# Altium PCB DSD_Aerobits_RPI4_OLED.PcbDoc
Units mm, origin at the board's own origin, x right, y up, seen from the top; angles counter-clockwise.
Board outline 143.13 x 116.33 mm, 2 copper layers (Top Layer, Bottom Layer), stack 1.569 mm thick; 90 components, 66 nets, 357 pads, 98 vias.
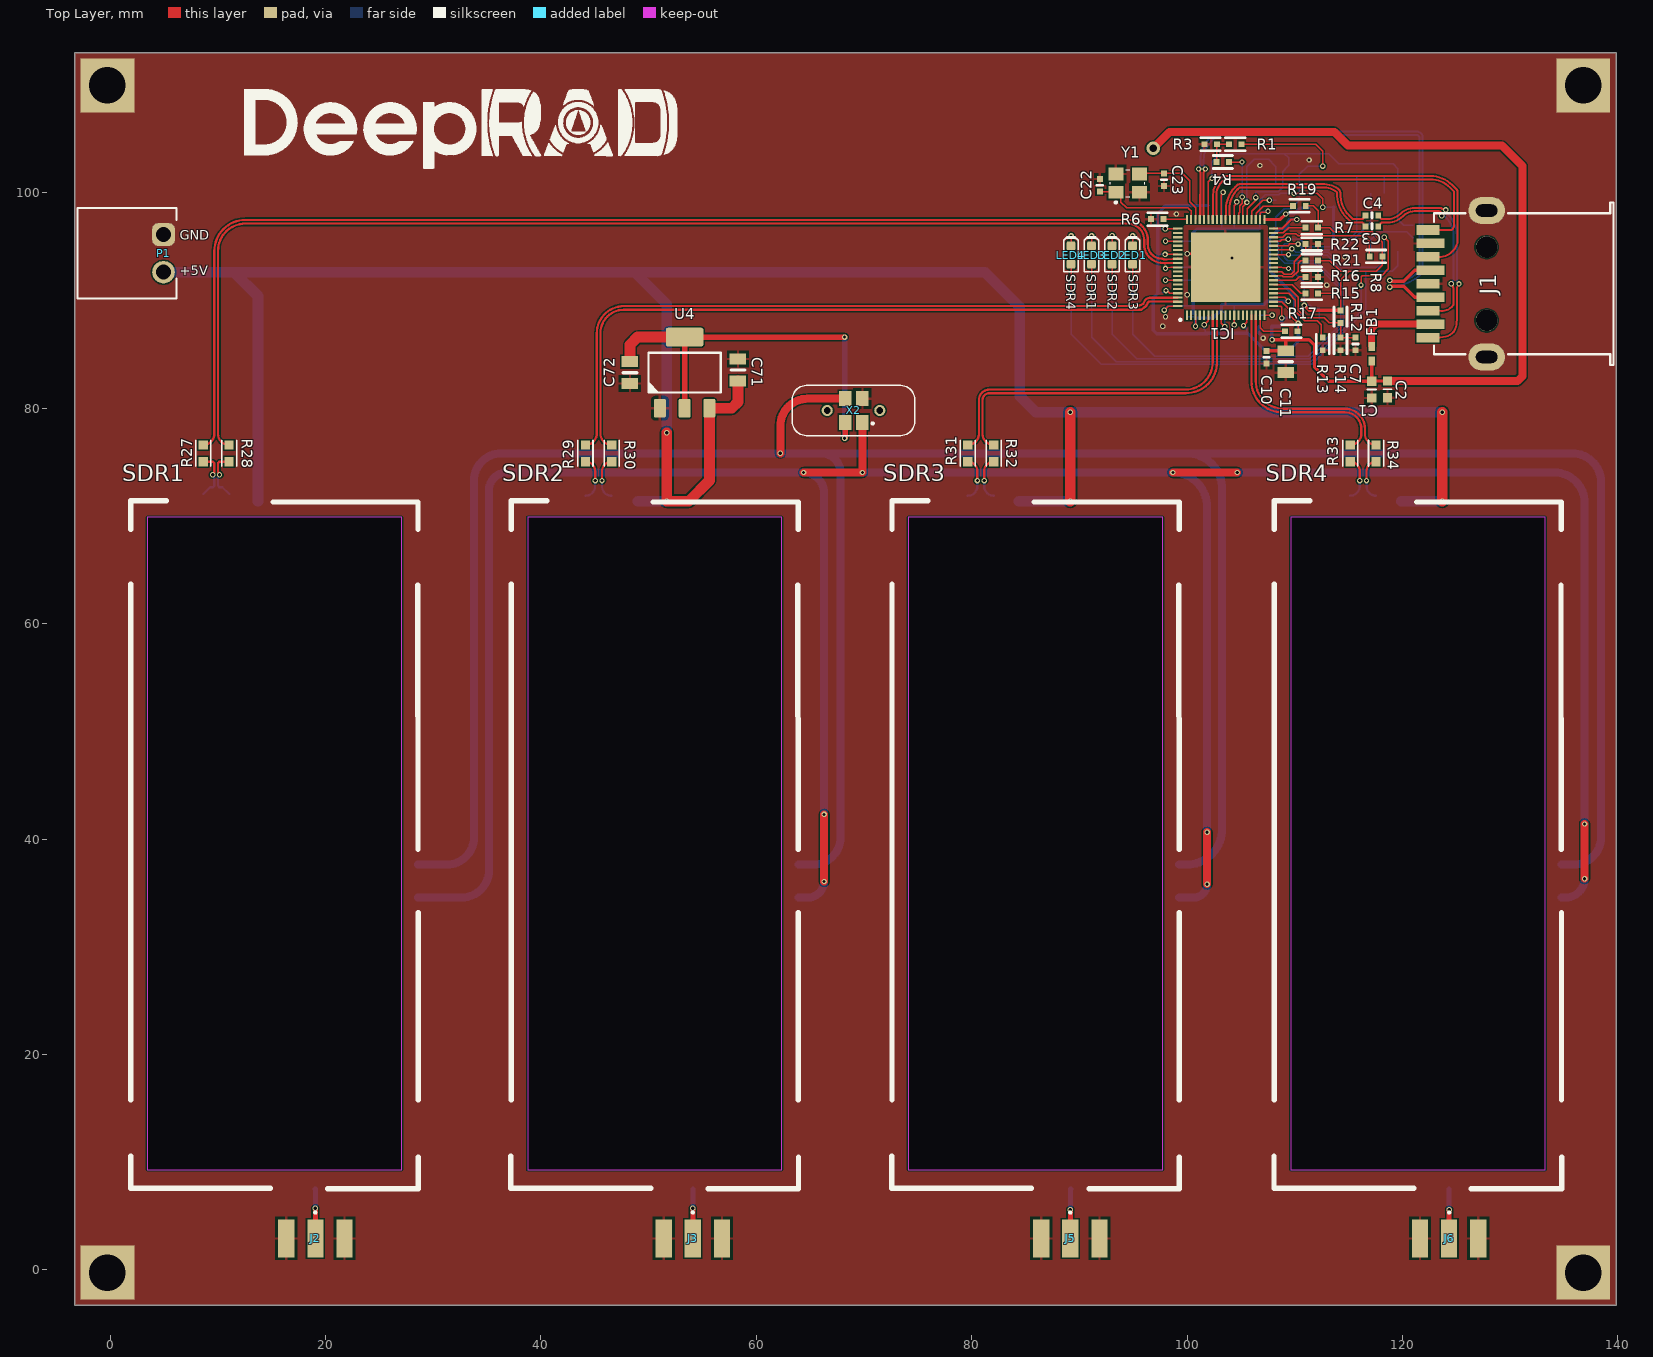
[diagram p0: Top Layer view]
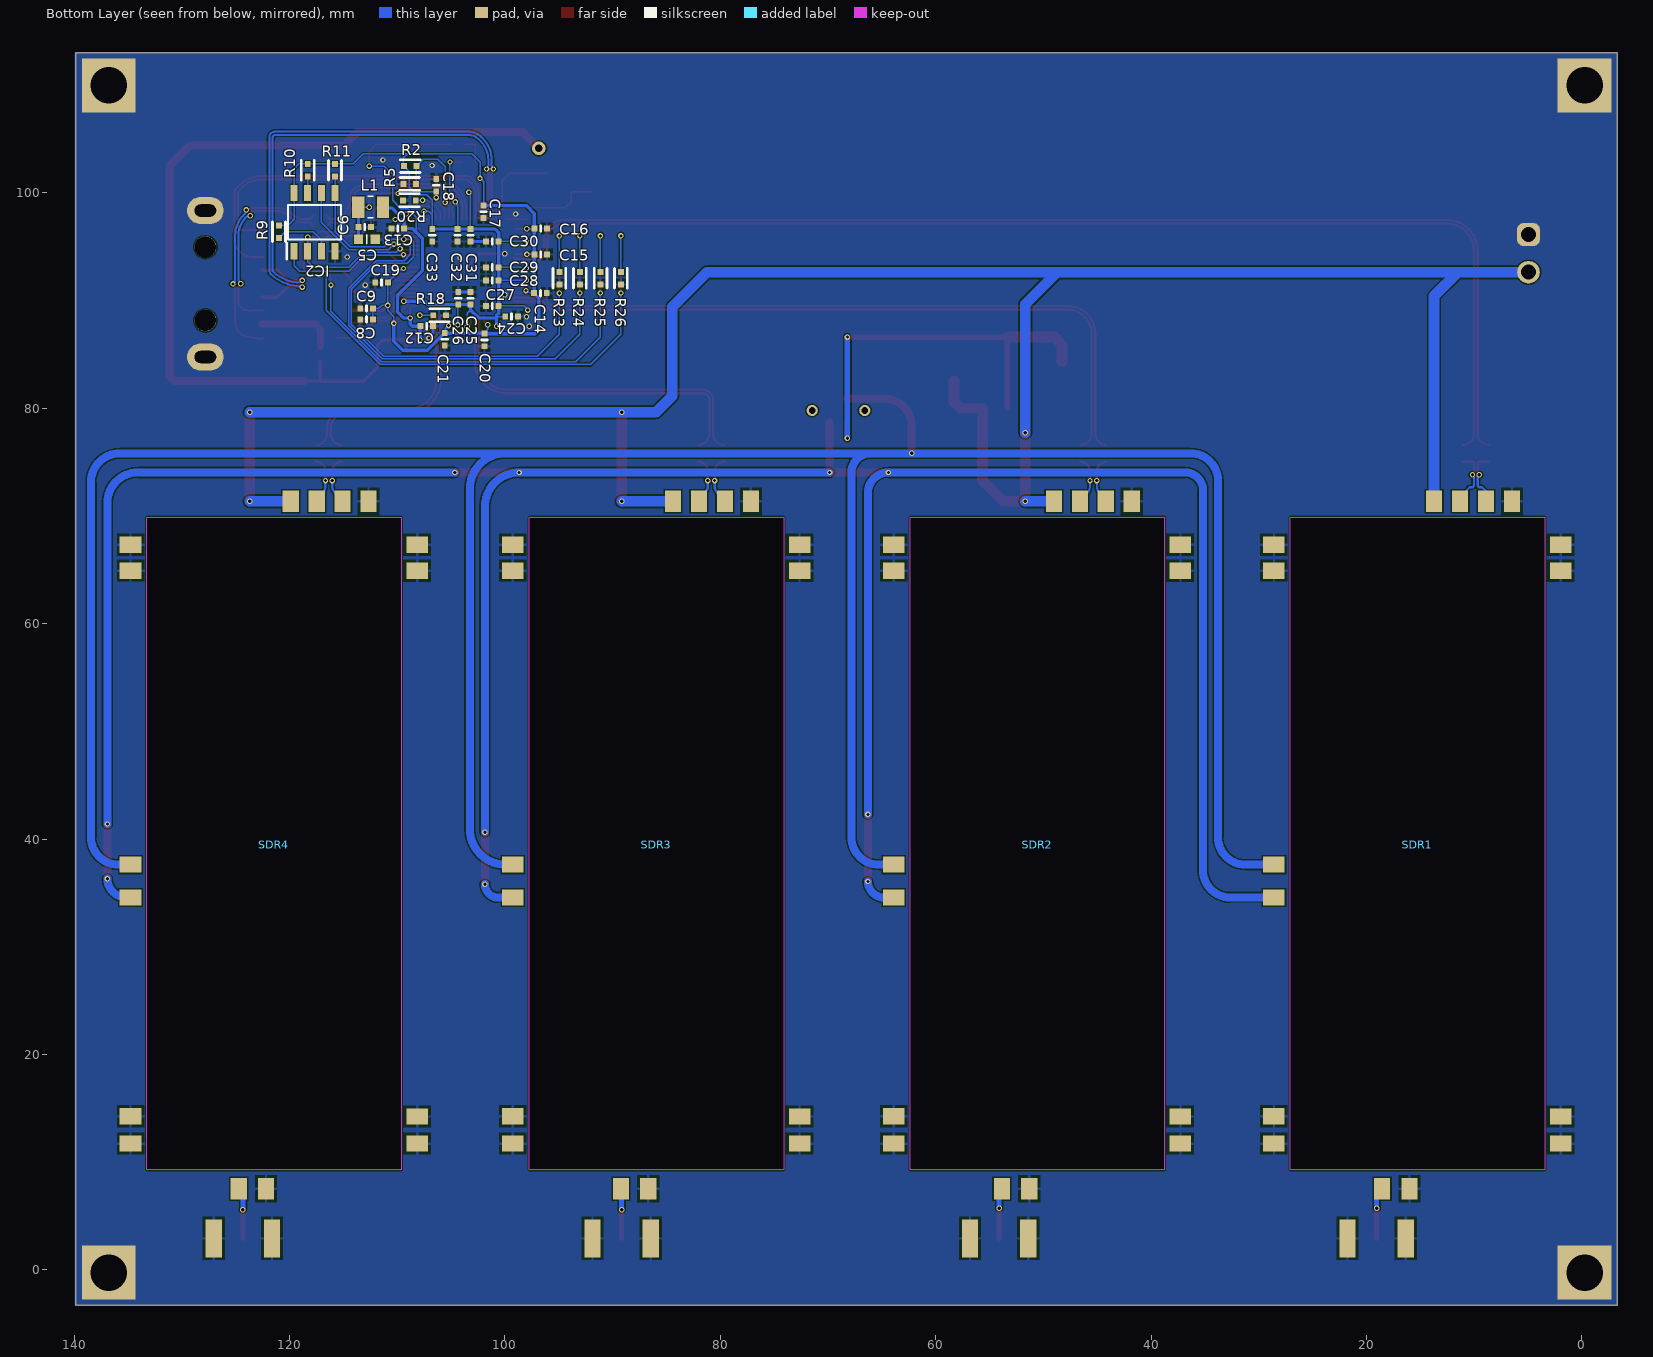
[diagram p1: Bottom Layer view, seen from below]
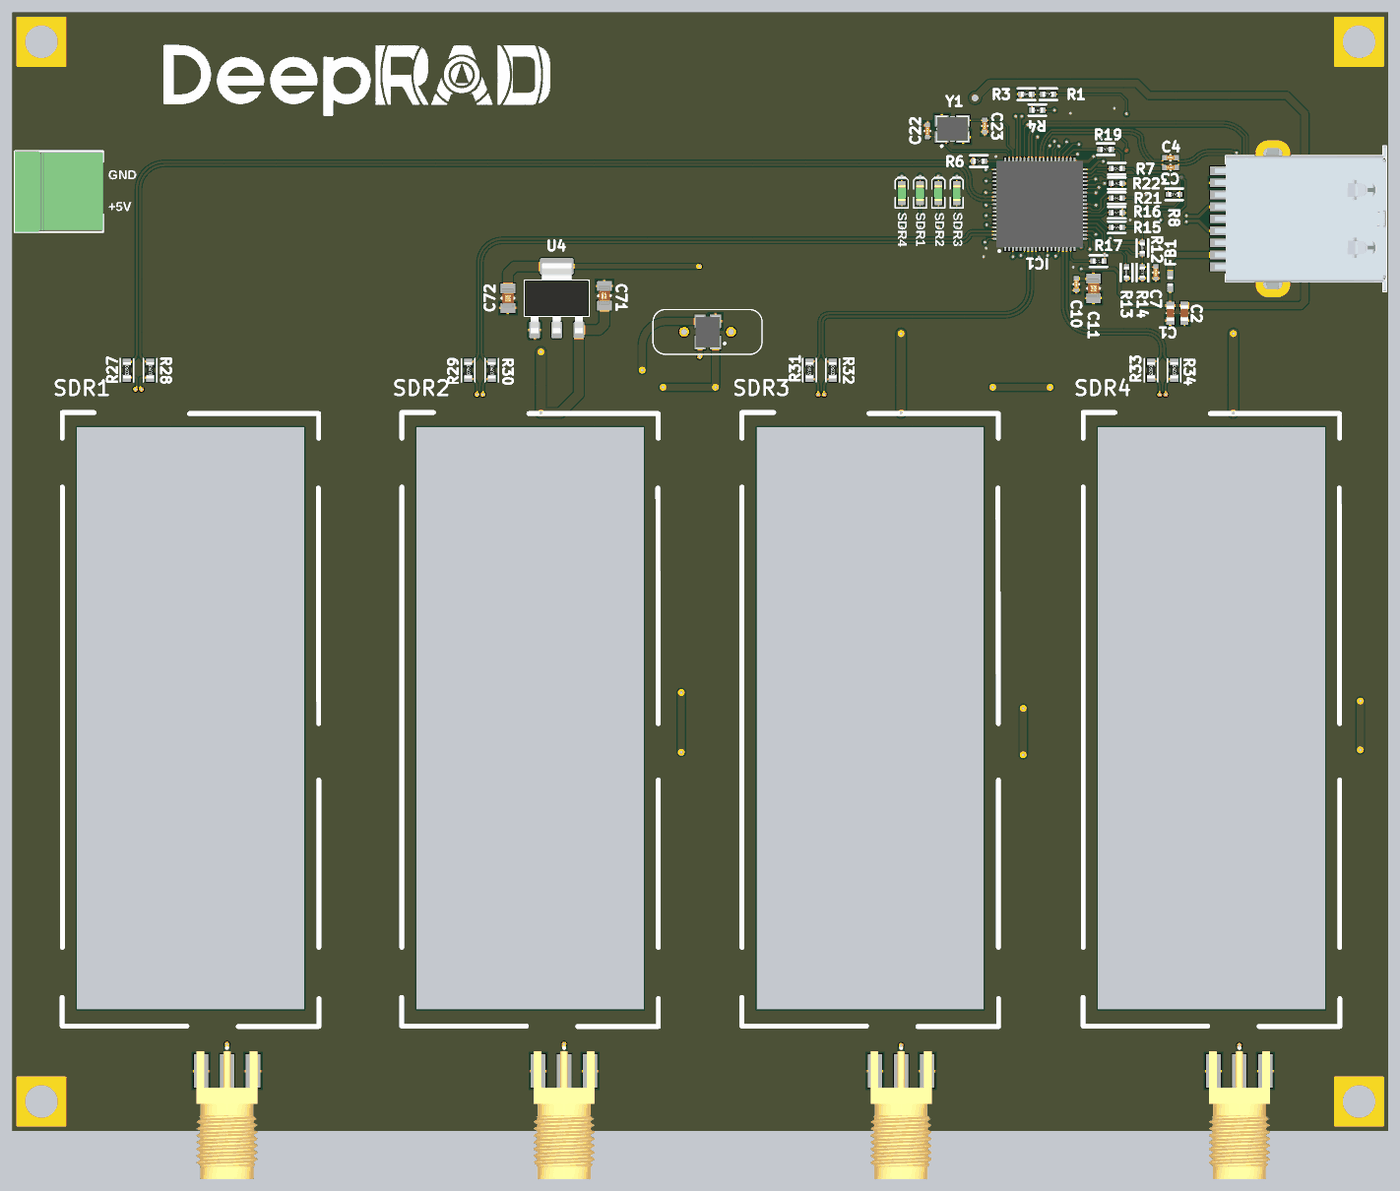
[diagram p2: 3D render of the assembled board from above, using the file's embedded part models]
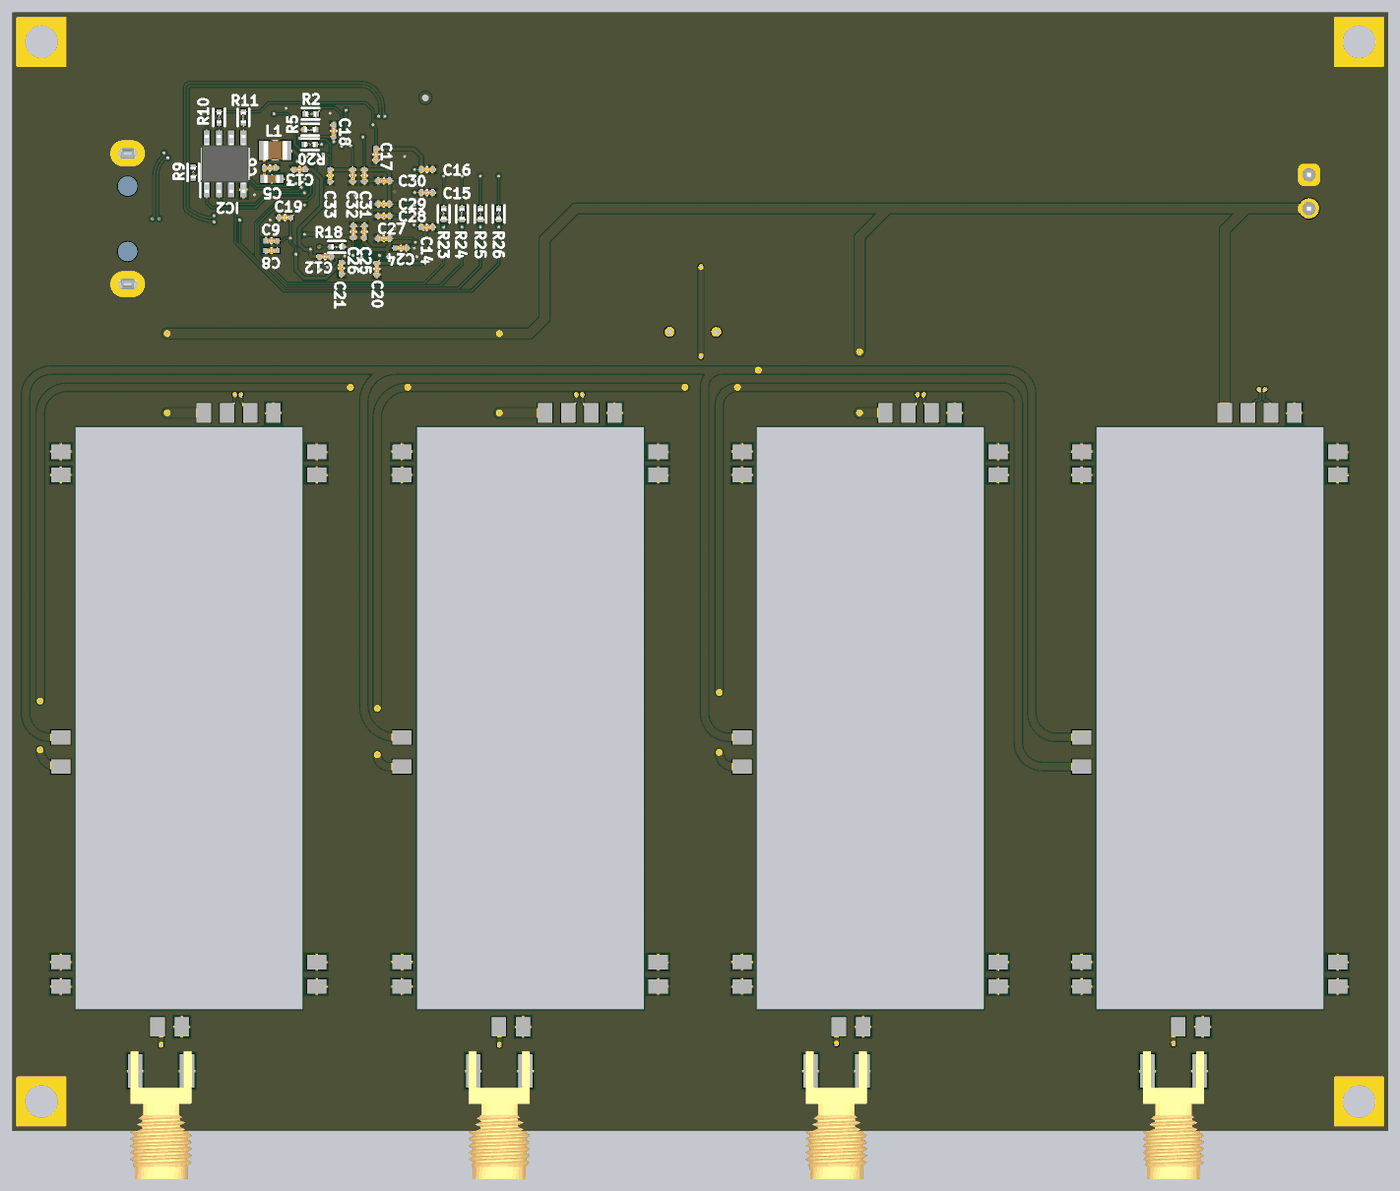
[diagram p3: 3D render of the assembled board from below, using the file's embedded part models]

## Layer stack, top to bottom
Top Solder: solder mask 0.0254, SM-001, Dk 4
Top Layer: signal copper 0.035
Dielectric 1: core 1.4986, Core-043, Dk 4.3
Bottom Layer: signal copper 0.035
Bottom Solder: solder mask 0.0254, SM-001, Dk 4

## Board outline
-3.302,-3.302 -3.302,113.03 139.827,113.03 139.827,-3.302

## Design rules (kind name [scope] priority, off if disabled: settings)
Clearance [All] p1: gap=0.127 ignorepadtopadclearanceinfootprint=FALSE except(0: Arc-Hole Track-Hole SMDPad-Hole THPad-Hole Via-Hole Fill-Hole Poly-Hole Region-Hole Text-Hole)
DiffPairsRouting [All] p1: maxlimit=0.127 minlimit=0.127 mostfreqgap=0.127 toplayer_minwidth=0.211 toplayer_maxwidth=0.211 toplayer_prefwidth=0.211 bottomlayer_minwidth=0.211 bottomlayer_maxwidth=0.211 bottomlayer_prefwidth=0.211 impedanceprofiledriven=TRUE impedanceprofileid={8C1FA2FF-CE2A-4BE0-B215-D946E021C4E5} impedanceprofilevalue=90.000000 maxuncoupledlength=12.7
HoleSize [All] p1: absolutevalues=TRUE maxlimit=5 minlimit=0.025 maxpercent=80.000 minpercent=20.000
MinimumSolderMaskSliver [All] p1: minsoldermaskwidth=0
PlaneConnect PlaneConnect_1 [InNet('GNDAA')] p1: planeconnectstyle=Direct reliefexpansion=0.508 reliefentries=4 reliefconductorwidth=0.254 reliefairgap=0.254
PlaneConnect [All] p2: planeconnectstyle=Direct reliefexpansion=0.508 reliefentries=4 reliefconductorwidth=0.254 reliefairgap=0.254
PolygonConnect [All] p1: thpad.connectstyle=Direct thpad.reliefconductorwidth=0.254 thpad.reliefentries=4 thpad.polygonreliefangle="90 Angle" thpad.airgapwidth=0.254 smdpad.connectstyle=Relief smdpad.reliefconductorwidth=0.254 smdpad.reliefentries=4 smdpad.polygonreliefangle="90 Angle" smdpad.airgapwidth=0.254 via.connectstyle=Direct via.reliefconductorwidth=0.254 via.reliefentries=4 via.polygonreliefangle="90 Angle" via.airgapwidth=0.254
RoutingVias [All] p1: holewidth=0.3 width=0.5 viastyle="Through Hole" minholewidth=0.3 minwidth=0.5 maxholewidth=4.5 maxwidth=5
SilkToSilkClearance [All] p1: silktosilkclearance=0
SilkToSolderMaskClearance [IsPad] p1: minsilkscreentomaskgap=0 clearancetoexposedcopper=TRUE
SolderMaskExpansion [All] p1: expansion=0.1 istentingtop=FALSE
Width RF [InNetClass('RF')] p1: maxlimit=0.463 minlimit=0.463 preferedwidth=0.463 impedanceprofiledriven=TRUE impedanceprofileid={0326D5ED-1C12-4793-8031-783421991229} impedanceprofilevalue=50.000000 minimp=50.000000 maximp=50.000000 favimp=50.000000
Width [All] p2: maxlimit=1.016 minlimit=0.127 preferedwidth=0.254
24 further rules are at their usual default settings.

## Classes and differential pairs
net class RF: NetJ2_1 NetJ3_1 NetJ5_1 NetJ6_1
differential pair USBDP0: +USBDP0_P -USBDP0_N
differential pair SSTX0: +SSTX0_P -SSTX0_N
differential pair SSRX0: +SSRX0_P -SSRX0_N
differential pair 0SSTX: +0SSTX_P -0SSTX_N
differential pair A1: +A1_P -A1_N
differential pair B4: +B4_P -B4_N
differential pair B3: +B3_P -B3_N
differential pair B2: +B2_P -B2_N
differential pair A4: +A4_P -A4_N
differential pair A3: +A3_P -A3_N
differential pair A2: +A2_P -A2_N
differential pair B1: +B1_P -B1_N

## Components (designator, comment, footprint, x,y, rotation, side; value= is the part's Value field where it differs from the comment)
C1 "10µF" SMD-0603C 117.146,81.742 r0 top
C2 "2.2µF" SMD-0603C 118.614,81.763 r0 top
C3 "0.10µF" SMD-0402C 117.166,96.901 r90 top
C4 "0.10µF" SMD-0402C 117.166,97.917 r90 top
C5 "10µF" SMD-0603C 112.814,95.706 r90 bottom
C6 "0.10µF" SMD-0402C 113.016,96.844 r90 bottom
C7 "1µF" SMD-0402C 115.642,85.979 r0 top
C8 "0.10µF" SMD-0402C 112.848,88.265 r270 bottom
C9 "4.7µF" SMD-0402C 112.848,89.281 r270 bottom
C10 "0.10µF" SMD-0402C 107.375,84.754 r0 top
C11 "10µF" SMD-0805C 109.165,84.328 r180 top
C12 "1µF" SMD-0402C 107.26,87.63 r90 bottom
C13 "1µF" SMD-0402C 109.938,96.69 r270 bottom
C14 "0.10µF" SMD-0402C 96.697,90.691 r90 bottom
C15 "0.10µF" SMD-0402C 96.677,94.284 r90 bottom
C16 "0.10µF" SMD-0402C 96.677,96.69 r90 bottom
C17 "0.10µF" SMD-0402C 101.984,98.254 r180 bottom
C18 "0.10µF" SMD-0402C 106.371,100.711 r0 bottom
C19 "0.10µF" SMD-0402C 111.451,91.694 r270 bottom
C20 "0.10µF" SMD-0402C 101.891,86.35 r180 bottom
C21 "0.10µF" SMD-0402C 105.584,86.42 r180 bottom
C22 "18pF" SMD-0402C 91.893,100.711 r180 top
C23 "18pF" SMD-0402C 97.862,101.219 r0 top
C24 "0.10µF" SMD-0402C 99.386,88.519 r90 bottom
C25 "0.10µF" SMD-0402C 103.196,90.221 r0 bottom
C26 "0.10µF" SMD-0402C 104.33,90.221 r0 bottom
C27 "0.10µF" SMD-0402C 101.164,89.51 r270 bottom
C28 "0.10µF" SMD-0402C 101.164,91.856 r270 bottom
C29 "0.10µF" SMD-0402C 101.164,93.091 r270 bottom
C30 "0.10µF" SMD-0402C 101.164,95.504 r270 bottom
C31 "0.10µF" SMD-0402C 103.196,96.068 r180 bottom
C32 "0.10µF" SMD-0402C 104.4,96.068 r180 bottom
C33 "0.10µF" SMD-0402C 106.746,96.068 r180 bottom
C71 "10µF" SMD-0805C 58.293,83.566 r0 top
C72 "22µF" SMD-0805C 48.26,83.312 r180 top
FB1 "10Ohm" WE-CBA_0402_L1W0.5H0.5_HC 117.137,85.065 r270 top
IC1 "VL817-Q7_B0_" QFN40P900X900X90-77N-D 103.577,93.091 r90 top
IC2 "SST25VF512A-33-4C-SAE" SOIC127P600X175-8N 117.674,97.282 r90 bottom
J1 "692122030100" 692122030100 131.263,91.567 r90 top
J2 "CON-SMA-EDGE-S" RFSOLUTIONS_CON-SMA-EDGE-S 19.05,2.921 r90 top
J3 "CON-SMA-EDGE-S" RFSOLUTIONS_CON-SMA-EDGE-S 54.102,2.921 r90 top
J5 "CON-SMA-EDGE-S" RFSOLUTIONS_CON-SMA-EDGE-S 89.154,2.921 r90 top
J6 "CON-SMA-EDGE-S" RFSOLUTIONS_CON-SMA-EDGE-S 124.333,2.921 r90 top
L1 "4.7uH" INDC2518X200N 112.467,98.679 r0 bottom
LED1 "Green" LED-0603-GREEN 94.933,94.234 r90 top
LED2 "Green" LED-0603-GREEN 93.028,94.234 r90 top
LED3 "Green" LED-0603-GREEN 91.123,94.234 r90 top
LED4 "Green" LED-0603-GREEN 89.218,94.234 r90 top
P1 "691322110002" 691322110002 1.553,94.389 r270 top
R1 "4.7k" SMD-0402-RES 104.466,104.521 r90 top
R2 "10k" SMD-0402-RES 108.784,102.489 r270 bottom
R3 "10k" SMD-0402-RES 102.18,104.521 r90 top
R4 "100k" SMD-0402-RES 103.323,102.87 r270 top
R5 "10k" SMD-0402-RES 108.835,100.838 r270 bottom
R6 "6.04k" SMD-0402-RES 97.24,97.561 r90 top
R7 "10k" SMD-0402-RES 111.578,96.774 r90 top
R8 "10k" SMD-0402-RES 117.547,94.107 r90 top
R9 "10k" SMD-0402-RES 120.976,96.393 r0 bottom
R10 "10k" SMD-0402-RES 118.309,102.108 r0 bottom
R11 "10k" SMD-0402-RES 115.769,102.108 r0 bottom
R12 "10k" SMD-0402-RES 114.245,88.519 r180 top
R13 "4.7k" SMD-0402-RES 112.594,85.979 r180 top
R14 "100k" SMD-0402-RES 114.245,85.979 r0 top
R15 "10k" SMD-0402-RES 111.578,90.678 r270 top
R16 "10k" SMD-0402-RES 111.578,92.202 r270 top
R17 "10k" SMD-0402-RES 109.676,87.157 r270 top
R18 "10k" SMD-0402-RES 106.066,88.646 r270 bottom
R19 "10k" SMD-0402-RES 110.435,98.806 r270 top
R20 "10k" SMD-0402-RES 108.86,99.314 r90 bottom
R21 "10k" SMD-0402-RES 111.578,93.726 r270 top
R22 "10k" SMD-0402-RES 111.578,95.25 r270 top
R23 "470" SMD-0402-RES 94.941,92.075 r0 bottom
R24 "470" SMD-0402-RES 93.039,92.075 r0 bottom
R25 "470" SMD-0402-RES 91.111,92.075 r0 bottom
R26 "470" SMD-0402-RES 89.229,92.075 r0 bottom
R27 "0.0" SMD-0603-RES 8.636,75.819 r180 top
R28 "0.0" SMD-0603-RES 11.049,75.819 r180 top
R29 "0.0" SMD-0603-RES 44.128,75.819 r180 top
R30 "0.0" SMD-0603-RES 46.575,75.819 r180 top
R31 "0.0" SMD-0603-RES 79.629,75.819 r180 top
R32 "0.0" SMD-0603-RES 82.042,75.819 r180 top
R33 "0.0" SMD-0603-RES 115.145,75.819 r180 top
R34 "0.0" SMD-0603-RES 117.547,75.819 r180 top
SDR1 "SDR_Module" SDR 5.607,70.268 r0 top
SDR2 "SDR_Module" SDR 40.913,70.268 r0 top
SDR3 "SDR_Module" SDR 76.285,70.268 r0 top
SDR4 "SDR_Module" SDR 111.776,70.268 r0 top
U4 "LM1117MP-3V3" SOT223 53.34,83.312 r90 top
X2 "WTL28.8-OSC28.8" WTL28.8-OSC28.8 69.05,84.498 r180 top
Y1 "ABM8G-25.000MHZ-18-D-2-Y-T3" ABM8G16000MHZB4YT 94.481,100.915 r0 top

## Footprints (in the part's own frame and the unit in brackets; to place one, negate y for a bottom-side part, rotate by r counter-clockwise, add the part's x,y. Pads: shape width x height; smd on the part's side, far side on the other; paste and mask are expansions set on the pad)
691322110002 [mm] "Horizontal PCB Header, pitch 3.5mm, 02p"
  rrect50% 2.1x2.1 hole 1.4: 1(-1.75,3.4)
  round 2.1 hole 1.4: 2(1.75,3.4)
  silkscreen extent -4.2,-4.6 4.2,4.6, body extent -4.2,-4.6 4.2,4.6, height 7.3
692122030100 [mm] "USB 3.0 Type A Horizontal SMD"
  rect 0.9x2.6 smd: 1(-3.75,8.67) 2(-1.25,8.67) 3(1.25,8.67) 4(3.75,8.67)
  rect 0.9x2.15 smd: 5(5,8.895) 6(2.5,8.895) 7(0,8.895) 8(-2.5,8.895) 9(-5,8.895)
  round 2 hole 2 unplated: MH1(-3.4,3.45) MH2(3.4,3.45)
  oval 2.52x3.4 hole 1.12 slot 2 at 90 deg: Shell(-6.8,3.45) Shell(6.8,3.45)
  silkscreen extent -7.55,-8.33 7.55,8.33, body extent -7.55,-8.33 7.55,9.47, height 7.95
ABM8G16000MHZB4YT [mm]
  rect 1.4x1.2 smd: 1(-1.1,-0.85) 2(1.1,-0.85) 3(1.1,0.85) 4(-1.1,0.85)
  silkscreen extent -1.6,-1.9 1.6,1.25, body extent -1.68,-1.33 1.68,1.33, height 1.1
INDC2518X200N [mm]
  rect 1.14x2.02 smd: 1(-1.14,0) 2(1.14,0)
  silkscreen extent -0.25,-1 0.25,1, body extent -1.27,-1 1.23,1, height 1.81
LED-0603-GREEN [mm]
  round 0.254 on Mech15: 0(0,0)
  rrect25% 0.8x0.8 smd: A(-0.85,0) K(0.85,0)
  Top Layer pour cut-out: -0.5,0.5 0.5,0.5 0.5,-0.5 -0.5,-0.5
  silkscreen extent -1.55,-0.68 1.67,0.68, body extent -0.8,-0.4 0.8,0.4, height 0.75
QFN40P900X900X90-77N-D [mm]
  rect 0.85x0.2 smd: 1(-4.45,3.6) 2(-4.45,3.2) 3(-4.45,2.8) 4(-4.45,2.4) 5(-4.45,2) 6(-4.45,1.6) 7(-4.45,1.2) 8(-4.45,0.8) 9(-4.45,0.4) 10(-4.45,0) 11(-4.45,-0.4) 12(-4.45,-0.8) 13(-4.45,-1.2) 14(-4.45,-1.6) 15(-4.45,-2) 16(-4.45,-2.4) 17(-4.45,-2.8) 18(-4.45,-3.2) 19(-4.45,-3.6) 39(4.45,-3.6) 40(4.45,-3.2) 41(4.45,-2.8) 42(4.45,-2.4) 43(4.45,-2) 44(4.45,-1.6) 45(4.45,-1.2) 46(4.45,-0.8) 47(4.45,-0.4) 48(4.45,0) 49(4.45,0.4) 50(4.45,0.8) 51(4.45,1.2) 52(4.45,1.6) 53(4.45,2) 54(4.45,2.4) 55(4.45,2.8) 56(4.45,3.2) 57(4.45,3.6)
  rect 0.2x0.85 smd: 20(-3.6,-4.45) 21(-3.2,-4.45) 22(-2.8,-4.45) 23(-2.4,-4.45) 24(-2,-4.45) 25(-1.6,-4.45) 26(-1.2,-4.45) 27(-0.8,-4.45) 28(-0.4,-4.45) 29(0,-4.45) 30(0.4,-4.45) 31(0.8,-4.45) 32(1.2,-4.45) 33(1.6,-4.45) 34(2,-4.45) 35(2.4,-4.45) 36(2.8,-4.45) 37(3.2,-4.45) 38(3.6,-4.45) 58(3.6,4.45) 59(3.2,4.45) 60(2.8,4.45) 61(2.4,4.45) 62(2,4.45) 63(1.6,4.45) 64(1.2,4.45) 65(0.8,4.45) 66(0.4,4.45) 67(0,4.45) 68(-0.4,4.45) 69(-0.8,4.45) 70(-1.2,4.45) 71(-1.6,4.45) 72(-2,4.45) 73(-2.4,4.45) 74(-2.8,4.45) 75(-3.2,4.45) 76(-3.6,4.45)
  rect 6.45x6.45 smd: 77(0,0)
  silkscreen extent -4.97,4.1 -4.78,4.3, body extent -4.55,-4.55 4.55,4.55, height 0.9
RFSOLUTIONS_CON-SMA-EDGE-S [mm]
  rect 3.5x1.5 smd: 1(0,0) G1(0,2.7) G2(0,-2.7)
  rect 3.5x1.5 smd far side: G3(0,2.7) G4(0,-2.7)
  silkscreen extent 2.3,-0.1 2.5,0.1, body extent -11.27,-3.18 2.06,3.17, height 3.55
SDR [mm]
  rect 1.5x2 smd far side: 1(8.109,1.106) 2(3.289,1.106) 3(5.699,1.106) 4(0.879,1.106) 4(10.402,-62.737) 7(12.932,-62.737)
  rect 2x1.5 smd far side: 4(-3.646,-58.547) 4(-3.646,-56.026) 4(-3.646,-5.35) 4(-3.646,-2.94) 4(22.987,-58.547) 4(22.987,-56.007) 4(22.987,-5.344) 4(22.987,-2.934) 5(22.987,-32.639) 6(22.987,-35.687)
  Keep-Out Layer board cut-out: 21.463,-60.96 21.463,-0.381 -2.159,-0.381 -2.159,-60.96
  silkscreen extent -3.7,-62.72 23,1.14
SMD-0402-RES [mm]
  rect 0.55x0.55 smd: 1(0,0.584) 2(0,-0.584)
  silkscreen extent -0.6,-0.9 0.6,0.9, body extent -0.28,-0.57 0.27,0.58, height 0.41
SMD-0402C [mm]
  rect 0.55x0.55 smd: 1(0,0.584) 2(0,-0.584)
  silkscreen extent -0.25,0 0.25,0, body extent -0.25,-0.51 0.25,0.51, height 0.51
SMD-0603-RES [mm]
  rect 0.85x0.85 smd: 1(0,0.775) 2(0,-0.775)
  silkscreen extent -0.7,-1.2 0.7,1.2, body extent -0.4,-0.85 0.4,0.85, height 0.56
SMD-0603C [mm]
  rect 0.85x0.85 smd: 1(0,0.775) 2(0,-0.775)
  silkscreen extent -0.4,0 0.4,0, body extent -0.4,-0.8 0.4,0.8, height 0.9
SMD-0805C [mil]
  rect 60x40 smd: 1(0,40) 2(0,-40)
  silkscreen extent -25,0 25,0, body extent -25,-39 25,39, height 35
SOIC127P600X175-8N [mm]
  rect 1.525x0.65 smd: 1(-2.712,1.905) 2(-2.712,0.635) 3(-2.712,-0.635) 4(-2.712,-1.905) 5(2.712,-1.905) 6(2.712,-0.635) 7(2.712,0.635) 8(2.712,1.905)
  silkscreen extent -3.47,-2.45 1.6,2.58, body extent -3,-2.45 3,2.45, height 1.75
SOT223 [mm]
  round 1 on Mech15: 0(0,0)
  rrect25% 1.75x1.1 smd: 1(-3.3,2.3) 2(-3.3,0) 3(-3.3,-2.3)
  rrect25% 1.75x3.5 smd: 4(3.3,0)
  silkscreen extent -1.85,-3.35 1.85,3.35, body extent -3.65,-3.35 3.65,3.35, height 1.8
WE-CBA_0402_L1W0.5H0.5_HC [mm] "SMD EMI Suppression Ferrite Bead, 2-Leads, body 1.00x0.50mm"
  rect 0.85x0.6 smd: 1(-0.675,0) 2(0.675,0)
  body extent -0.5,-0.25 0.5,0.25, height 0.5
WTL28.8-OSC28.8 [mm]
  rect 1.15x1.4 smd: 1(-0.8,5.799) 2(-0.8,3.599) 3(0.8,3.599) 4(0.8,5.799)
  round 1.03 hole 0.63: 5(-2.413,4.699) 6(2.467,4.699)
  silkscreen extent -5.65,2.37 5.7,7.03, body extent -1.26,3.01 1.26,6.38, height 0.7
